# Altium PCB 10515.0462_全联供主板(2拼版)_V1.0.PcbDoc (part 9 of 18)
Units mm, origin at the board's own origin, x right, y up, seen from the top; angles counter-clockwise.
Board outline 282 x 198 mm, 2 copper layers (Top Layer, Bottom Layer); 716 components, 0 nets, 2364 pads, 1800 vias.
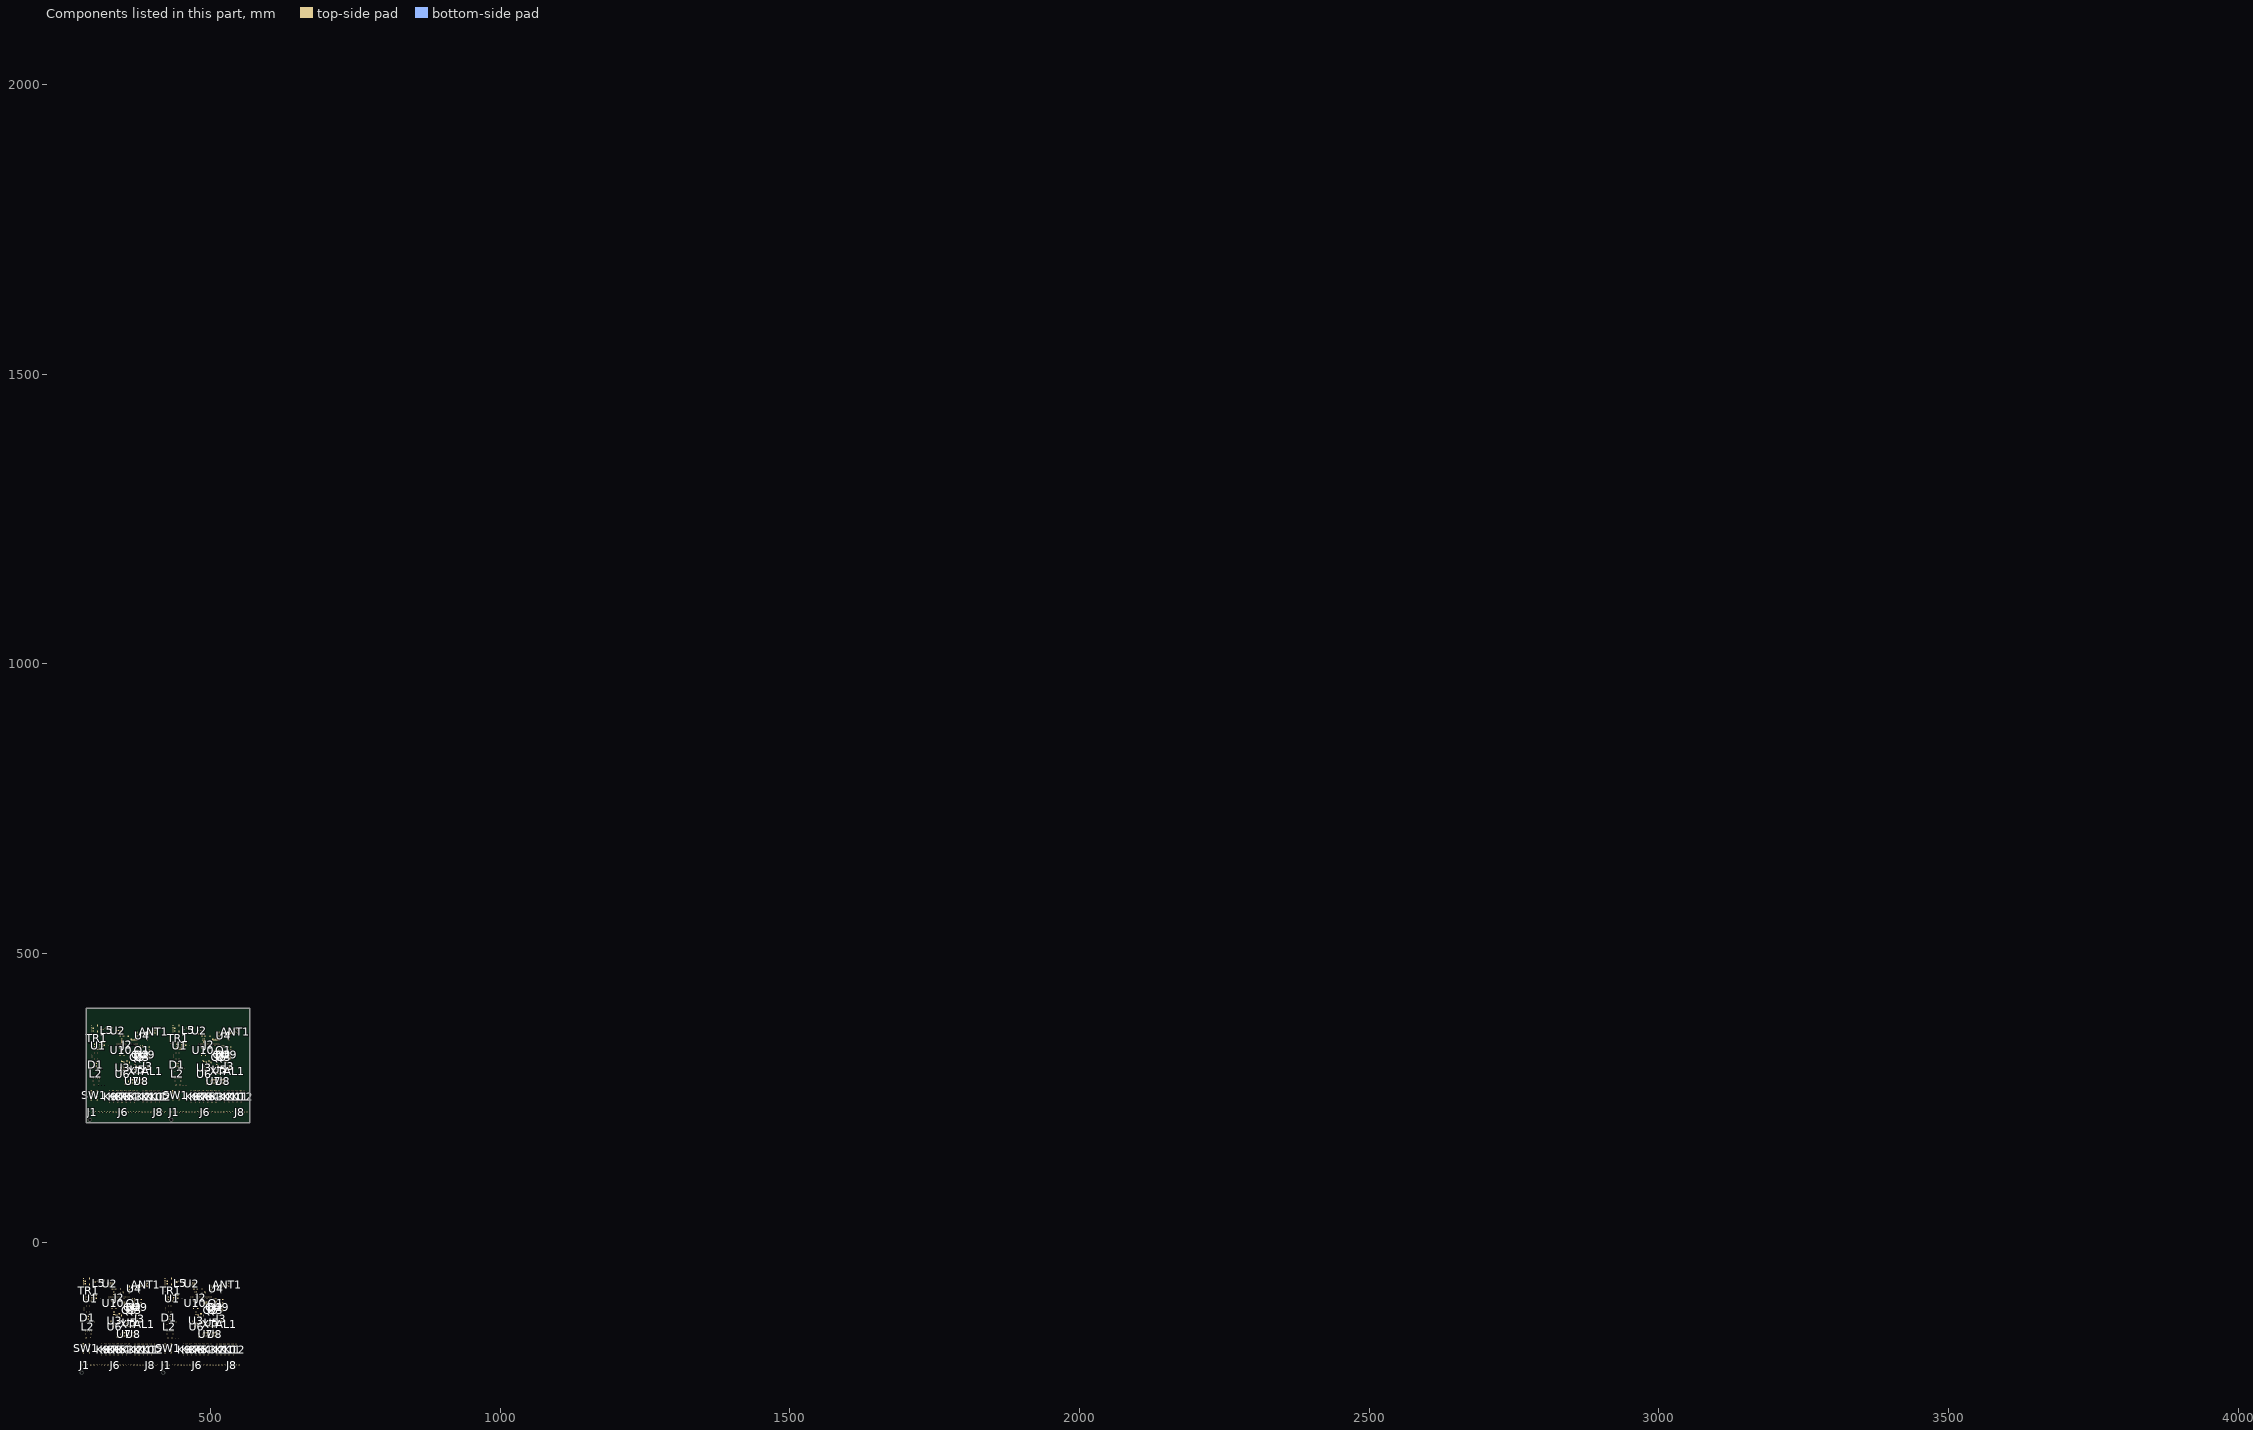
[diagram p9: the components of this part, seen from the top]

## Via types
v1: diameter 0.7, hole 0.4, Top Layer to Bottom Layer, tented both sides, 1800 vias

## Nets (pads, with @x,y where several pads share a name; then routed paths per layer and width w, separated by ;. In a path a pad name is that pad's centre, name@x,y a point inside that pad or via, vN(x,y) a via of type N, cw(c..) or ccw(c..) an arc to the next point about the centre after c; other vN are vias at no path point) (continued)
copper on no net: (continued)
  Top Layer w0.65: 285.476,-64.542 287.715,-64.542 290.89,-61.367 290.89,-62.336 295.122,-66.568 295.509,-66.568 ; 290.89,-71.667 290.89,-71.51 292.366,-70.035 ; 291.064,-69.749 292.614,-68.2 297.083,-68.2 296.55,-68.733 292.842,-68.733 292.461,-69.114 ; 291.318,-61.875 295.509,-66.066 296.601,-66.066 ; 291.318,-61.113 296.754,-66.549 296.837,-66.549 296.96,-66.426 ; 291.572,-70.003 292.144,-69.431 ; 292.017,-63.462 292.017,-64.288 ; 292.652,-64.923 292.017,-64.923 ; 293.35,-64.034 295.001,-65.685 296.22,-65.685 297.083,-66.549 ; 293.604,-66.568 293.604,-66.51 292.017,-64.923 ; 294.297,-66.568 292.017,-64.288 ; 295.691,-68.733 ccw(c295.691,-66.845) 297.026,-68.18 ; 295.813,-66.066 cw(c295.813,-67.78) 297.026,-66.568 295.509,-66.568 ; 297.083,-66.429 ccw(c297.083,-65.893) 297.462,-66.272 ; 297.141,-66.568 cw(c298.353,-67.78) 298.353,-66.066 ; 297.16,-68.479 296.208,-69.431 ; 297.164,-66.519 cw(c297.668,-66.573) 297.668,-66.066 ; 298.801,-66.565 ccw(c297.668,-67.601) 297.668,-66.066 ; 298.861,-66.549 298.379,-66.066 297.668,-66.066 ; 299.105,372.053 301.344,372.053 304.519,375.228 304.519,374.259 308.751,370.027 309.138,370.027 ; 299.738,-66.637 cw(c300.203,-67.102) 300.547,-66.542 ; 300.097,-65.669 cw(c301.224,-66.795) v1@301.224,-65.202 ; 300.272,-65.494 cw(c301.023,-66.246) v1@301.219,-65.202 ; 300.532,-66.415 ccw(c299.473,-65.356) v1@300.97,-65.356 ; v1@300.571,-65.195 cw(c299.609,-66.157) 300.97,-66.157 ; 300.589,-66.654 cw(c302.547,-66.654) v1@301.241,-65.196 ; 300.589,-66.391 ccw(c300.589,-65.336) 301.335,-66.082 ; v1@300.594,-65.202 cw(c300.79,-66.246) 301.542,-65.494 ; 300.612,-66.394 cw(c300.82,-65.685) 300.081,-65.685 ; 300.97,-65.851 cw(c301.898,-65.851) v1@301.242,-65.195 ; 300.995,-66.549 ccw(c300.995,-62.838) 303.619,-65.462 cw(c302.467,-64.309) 302.467,-65.939 cw(c302.467,-67.569) 303.619,-66.416 ; v1@301.206,-65.195 cw(c300.551,-65.851) 301.478,-65.851 ; 302.564,-66.549 ccw(c302.564,-64.407) 304.078,-65.921 ; 304.519,364.928 304.519,365.085 305.995,366.561 ; 304.693,366.846 306.242,368.396 310.712,368.396 310.178,367.862 306.471,367.862 306.09,367.481 ; 304.947,374.72 309.138,370.529 310.229,370.529 ; 304.947,375.482 310.382,370.047 310.466,370.047 310.589,370.17 ; 305.201,366.592 305.772,367.164 ; 305.645,373.133 305.645,372.307 ; 306.28,371.672 305.645,371.672 ; 306.979,372.561 308.63,370.91 309.848,370.91 310.712,370.047 ; 307.233,370.027 307.233,370.085 305.645,371.672 ; 307.925,370.027 305.645,372.307 ; 308.494,-66.416 cw(c307.342,-67.569) 308.971,-67.569 cw(c310.601,-67.569) 309.448,-66.416 ; 308.504,-73.001 ccw(c307.457,-71.908) 308.971,-71.908 ccw(c310.485,-71.908) 309.438,-73.001 ; 308.735,-66.571 cw(c308.266,-67.827) 309.606,-67.827 ; 308.962,-65.962 cw(c308.616,-66.89) 309.606,-66.89 ; 308.971,-66.614 cw(c308.971,-69.163) 310.774,-67.361 ; 308.996,-73.486 cw(c310.514,-73.292) 309.432,-72.209 ; 308.998,-72.815 ccw(c309.059,-71.234) 310.178,-72.353 ; 309.281,-72.889 cw(c309.941,-71.613) 308.504,-71.613 ; 309.32,367.862 ccw(c309.32,369.75) 310.654,368.415 ; 309.442,370.529 cw(c309.442,368.815) 310.654,370.027 309.138,370.027 ; 309.606,-67.082 310.368,-67.844 312.4,-67.844 ; 309.635,-66.059 ccw(c311.337,-66.367) 310.114,-67.59 ; 309.641,-73.403 cw(c312.174,-73.079) 310.368,-71.273 ; 309.646,-73.489 cw(c311.107,-73.489) 310.074,-72.456 ; 309.646,-65.939 ccw(c310.356,-65.939) 309.854,-66.441 ; 310.712,370.166 ccw(c310.712,370.702) 311.091,370.323 ; 310.769,370.027 cw(c311.982,368.815) 311.982,370.529 ; 310.789,368.116 309.836,367.164 ; 310.793,370.076 cw(c311.297,370.023) 311.297,370.529 ; 312.43,370.03 ccw(c311.297,368.995) 311.297,370.529 ; 312.49,370.047 312.007,370.529 311.297,370.529 ; 313.035,-68.479 314.813,-66.701 314.813,-66.574 ; 313.035,-67.844 313.035,-67.543 315.655,-64.923 ; 313.162,-67.844 314.813,-66.193 ; 313.257,-67.241 cw(c315.655,-69.64) 315.655,-66.248 ; 313.282,-66.581 cw(c315.655,-68.954) 315.655,-65.598 ; 313.289,-71.781 314.305,-72.797 314.305,-74.448 315.08,-75.223 315.655,-75.223 ; 313.367,369.958 cw(c313.832,369.493) 314.175,370.054 ; 313.393,-67.185 cw(c315.655,-69.447) 315.655,-66.248 ; 313.67,-67.844 312.4,-67.844 ; 313.71,370.91 ccw(c314.449,370.91) 314.241,370.201 ; 313.726,370.927 cw(c314.853,369.8) v1@314.853,371.393 ; 313.9,371.101 cw(c314.652,370.35) v1@314.848,371.394 ; 314.124,-66.882 cw(c315.655,-68.414) 315.655,-66.248 ; 314.16,370.181 ccw(c313.102,371.239) v1@314.599,371.239 ; v1@314.2,371.401 cw(c313.238,370.438) 314.599,370.438 ; 314.218,369.942 cw(c316.175,369.942) v1@314.87,371.4 ; 314.218,370.204 ccw(c314.218,371.259) 314.964,370.513 ; v1@314.223,371.394 cw(c314.419,370.35) 315.17,371.101 ; 314.366,-66.132 cw(c315.655,-67.421) 315.655,-65.598 ; 314.392,-65.471 cw(c315.655,-66.735) 315.655,-64.948 ; 314.432,-72.543 313.67,-71.781 310.749,-71.781 310.178,-72.352 ; 314.503,-66.075 cw(c315.655,-67.228) 315.655,-65.598 ; 314.599,370.745 cw(c315.526,370.745) v1@314.871,371.401 ; 314.624,370.047 ccw(c314.624,373.758) 317.248,371.134 cw(c316.095,372.286) 316.095,370.656 cw(c316.095,369.027) 317.248,370.179 ; 314.663,-66.851 ccw(c313.534,-65.723) 315.13,-65.723 ; 314.813,-74.261 ccw(c315.817,-74.261) 315.107,-74.971 ; 314.813,-72.692 ccw(c317.386,-72.692) 315.567,-74.511 ; 314.813,-72.289 313.797,-71.273 310.368,-71.273 308.971,-72.67 308.971,-73.489 ; 314.813,-71.527 314.051,-70.765 310.114,-70.765 308.971,-71.908 308.971,-73.489 ; 314.813,-71.123 ccw(c318.955,-71.123) 316.026,-74.052 cw(c316.923,-73.156) 315.655,-73.156 cw(c314.388,-73.156) 315.284,-74.052 ; 314.813,-68.123 cw(c317.079,-68.123) 315.923,-66.175 ; 314.813,-67.971 313.924,-68.86 ; 314.813,-67.336 313.67,-68.479 310.368,-68.479 309.606,-67.717 309.606,-66.574 308.971,-65.939 ; 314.813,-66.982 cw(c316.402,-66.982) 315.591,-65.615 ; v1@314.835,371.401 cw(c314.179,370.745) 315.107,370.745 ; 314.881,-66.633 ccw(c314.226,-65.978) 315.138,-65.815 ; 314.94,-64.923 312.527,-67.336 310.749,-67.336 309.352,-65.939 308.971,-65.939 ; 315.284,-75.594 ccw(c314.388,-76.49) 314.388,-75.223 ccw(c314.388,-73.956) 315.284,-74.852 ; 315.321,-75.223 314.318,-75.223 313.924,-74.829 313.924,-73.305 312.972,-72.352 310.178,-72.352 ; 315.325,-74.015 ccw(c313.829,-72.162) 316.21,-72.162 ; 315.465,-73.934 ccw(c314.827,-72.289) 316.591,-72.289 ; 315.578,-74.522 ccw(c316.044,-73.925) 316.579,-74.46 ; 315.655,-65.859 315.655,-64.923 ; 315.7,-74.54 ccw(c315.196,-73.238) 316.591,-73.238 ; 315.734,-74.52 ccw(c314.928,-73.523) 316.21,-73.523 ; 315.935,-75.146 ccw(c315.564,-74.188) 316.591,-74.188 ; 315.978,-74.009 ccw(c316.5,-73.34) 317.099,-73.94 ; 316.026,-66.094 ccw(c316.923,-66.99) 315.655,-66.99 ccw(c314.388,-66.99) 315.284,-66.094 cw(c313.354,-68.024) 316.083,-68.024 ; 316.106,-75.491 cw(c316.578,-75.772) 316.578,-75.223 ; 316.106,-74.955 ccw(c316.578,-74.674) 316.578,-75.223 ; 316.18,-65.723 ccw(c318.162,-65.723) 316.761,-67.125 ; 316.193,370.047 ccw(c316.193,372.189) 317.707,370.674 ; 317.353,-71.527 316.591,-72.289 316.591,-74.575 315.943,-75.223 315.655,-75.223 ; 317.516,-68.733 cw(c317.516,-70.094) v1@318.478,-69.132 ; 317.933,-69.278 ccw(c317.933,-67.609) v1@319.113,-68.789 ; 317.988,-71.527 317.099,-72.416 317.099,-73.94 ; 318.04,-69.278 ccw(c318.04,-68.658) v1@318.478,-69.096 ; 318.274,-68.638 cw(c317.798,-69.114) v1@318.471,-69.114 ; v1@318.514,-69.132 cw(c319.476,-70.094) 319.476,-68.733 ; v1@318.514,-69.096 ccw(c318.952,-68.658) 318.952,-69.278 ; v1@318.517,-69.128 cw(c319.131,-69.554) v1(319.131,-68.807) 318.443,-68.807 316.083,-66.447 ; 318.517,-68.733 cw(c318.517,-70.653) v1@319.875,-69.295 ; v1@319.154,-68.797 ccw(c319.893,-68.47) v1(319.893,-69.278) ; 319.675,-68.733 cw(c319.675,-70.094) v1@320.637,-69.132 ; v1@319.915,-69.29 cw(c320.872,-69.834) 320.872,-68.733 ; v1@320.199,-69.278 ccw(c320.199,-68.658) v1@320.637,-69.096 ; 320.285,-71.527 ccw(c320.285,-69.418) 321.776,-70.909 ; v1@320.673,-69.096 ccw(c321.111,-68.658) 321.111,-69.278 ; 320.909,-72.416 320.655,-72.162 ; 320.909,-71.867 321.834,-70.942 ; 321.1,-68.961 ccw(c321.635,-68.425) 321.815,-69.161 ; 321.157,-70.809 ccw(c321.48,-70.486) 321.78,-70.829 ; 321.29,-70.942 320.859,-70.511 316.464,-70.511 315.655,-71.32 315.655,-72.543 ; 321.417,-69.278 320.872,-68.733 ; 321.753,-72.67 321.753,-72.031 321.249,-71.527 ; 321.834,-70.929 321.834,-70.942 ; 321.834,-69.278 v1(319.893,-69.278) ; 321.847,-70.942 321.834,-70.942 ; 322.123,370.179 cw(c320.97,369.027) 322.6,369.027 cw(c324.229,369.027) 323.077,370.179 ; 322.133,363.594 ccw(c321.086,364.687) 322.6,364.687 ccw(c324.114,364.687) 323.067,363.594 ; 322.364,370.024 cw(c321.894,368.769) 323.235,368.769 ; 322.484,-73.99 322.243,-73.749 ; 322.525,-73.441 321.036,-71.953 321.036,-71.527 ; 322.591,370.633 cw(c322.244,369.705) 323.235,369.705 ; 322.6,369.981 cw(c322.6,367.432) 324.403,369.235 ; 322.625,363.11 cw(c324.143,363.304) 323.061,364.386 ; 322.626,363.781 ccw(c322.688,365.361) 323.806,364.243 ; 322.91,363.706 cw(c323.57,364.983) 322.133,364.983 ; 323.235,369.513 323.997,368.751 326.029,368.751 ; 323.264,370.536 ccw(c324.965,370.228) 323.743,369.006 ; 323.269,363.192 cw(c325.803,363.516) 323.997,365.322 ; 323.275,363.106 cw(c324.735,363.106) 323.703,364.139 ; 323.275,370.656 ccw(c323.985,370.656) 323.483,370.155 ; 324.272,-96.104 cw(c323.526,-96.85) 324.581,-96.85 cw(c325.636,-96.85) 324.89,-96.104 cw(c325.636,-96.85) 325.636,-95.795 cw(c325.636,-94.74) 324.89,-95.486 cw(c325.636,-94.74) 324.581,-94.74 cw(c323.526,-94.74) 324.272,-95.486 ; 324.272,-93.564 cw(c323.526,-94.31) 324.581,-94.31 cw(c325.636,-94.31) 324.89,-93.564 cw(c325.664,-94.338) 325.664,-93.244 ; 324.369,-95.413 ccw(c323.799,-94.387) 324.973,-94.387 ; 324.4,-95.683 cw(c325.821,-96.57) 325.821,-94.895 ; 324.427,-93.664 cw(c324.131,-94.453) 324.973,-94.453 ; 324.43,-93.405 ccw(c325.564,-92.283) 325.564,-93.879 ; 324.468,-95.976 ccw(c324.926,-95.242) 325.538,-95.854 ; 324.592,-93.244 327.11,-93.244 327.121,-93.255 ; 324.812,-95.425 ccw(c325.371,-94.531) 326.116,-95.276 ; 324.89,-92.946 ccw(c325.608,-92.228) 325.608,-93.244 ; 324.892,-92.948 ccw(c327.121,-90.744) 327.121,-93.879 ; 324.952,-96.027 cw(c326.994,-97.303) 326.994,-94.895 324.973,-94.895 ; 324.973,-96.419 326.116,-95.276 ; 324.973,-96.188 324.973,-94.895 ; 324.973,-95.988 cw(c326.116,-96.549) 326.116,-95.276 ; 326.017,-94.895 cw(c326.017,-96.338) 327.312,-95.701 ; 326.038,-93.244 cw(c326.038,-94.338) 326.812,-93.564 cw(c326.066,-94.31) 327.121,-94.31 cw(c328.176,-94.31) 327.43,-93.564 ; 326.094,-93.244 ccw(c326.094,-92.228) 326.812,-92.946 ; 326.379,-93.879 ccw(c326.379,-92.79) 327.301,-93.369 ; 326.664,368.116 328.442,369.894 328.442,370.021 ; 326.664,368.751 326.664,369.052 329.284,371.672 ; 326.685,-95.817 ccw(c326.116,-95.845) 326.116,-95.276 ; 326.729,-95.988 ccw(c324.973,-96.851) 324.973,-94.895 ; 326.751,-93.023 cw(c325.205,-92.054) 325.205,-93.879 327.121,-93.879 327.121,-93.255 ; 326.791,368.751 328.442,370.402 ; 326.812,-96.104 ccw(c326.066,-96.85) 326.066,-95.795 ccw(c326.066,-94.74) 326.812,-95.486 ccw(c326.066,-94.74) 327.121,-94.74 ccw(c328.176,-94.74) 327.43,-95.486 ; 326.885,369.354 cw(c329.284,366.956) 329.284,370.347 ; 326.911,370.015 cw(c329.284,367.642) 329.284,370.997 ; 326.918,364.814 327.934,363.798 327.934,362.147 328.709,361.372 329.284,361.372 ; 327.022,369.411 cw(c329.284,367.149) 329.284,370.347 ; 327.121,-95.276 326.116,-95.276 ; 327.121,-94.387 324.973,-94.387 ; 327.299,368.751 326.029,368.751 ; 327.753,369.713 cw(c329.284,368.182) 329.284,370.347 ; 327.995,370.464 cw(c329.284,369.175) 329.284,370.997 ; 328.021,371.124 cw(c329.284,369.861) 329.284,371.647 ; 328.061,364.052 327.299,364.814 324.378,364.814 323.806,364.243 ; 328.132,370.52 cw(c329.284,369.368) 329.284,370.997 ; 328.291,369.744 ccw(c327.163,370.872) 328.759,370.872 ; 328.442,362.334 ccw(c329.446,362.334) 328.736,361.624 ; 328.442,363.903 ccw(c331.015,363.903) 329.195,362.084 ; 328.442,364.306 327.426,365.322 323.997,365.322 322.6,363.925 322.6,363.106 ; 328.442,365.068 327.68,365.83 323.743,365.83 322.6,364.687 322.6,363.106 ; 328.442,365.473 ccw(c332.584,365.473) 329.655,362.544 cw(c330.551,363.44) 329.284,363.44 cw(c328.016,363.44) 328.913,362.544 ; 328.442,368.472 cw(c330.708,368.472) 329.552,370.421 ; 328.442,368.624 327.553,367.735 ; 328.442,369.259 327.299,368.116 323.997,368.116 323.235,368.878 323.235,370.021 322.6,370.656 ; 328.442,369.613 cw(c330.031,369.613) 329.22,370.98 ; 328.51,369.963 ccw(c327.855,370.618) 328.767,370.78 ; 328.569,371.672 326.156,369.259 324.378,369.259 322.981,370.656 322.6,370.656 ; 328.913,361.001 ccw(c328.016,360.105) 328.016,361.372 ccw(c328.016,362.64) 328.913,361.744 ; 328.95,361.372 327.947,361.372 327.553,361.766 327.553,363.29 326.6,364.243 323.806,364.243 ; 328.954,362.581 ccw(c327.457,364.433) 329.839,364.433 ; 329.094,362.662 ccw(c328.456,364.306) 330.22,364.306 ; 329.207,362.074 ccw(c329.673,362.671) 330.208,362.136 ; 329.284,370.736 329.284,371.672 ; 329.329,362.056 ccw(c328.824,363.357) 330.22,363.357 ; 329.352,-95.486 ccw(c328.606,-94.74) 329.661,-94.74 ccw(c330.716,-94.74) 329.97,-95.486 ; 329.352,-93.564 cw(c328.606,-94.31) 329.661,-94.31 cw(c330.716,-94.31) 329.97,-93.564 ; 329.352,-92.946 ccw(c328.606,-92.2) 329.661,-92.2 ccw(c330.716,-92.2) 329.97,-92.946 ; 329.362,362.075 ccw(c328.557,363.073) 329.839,363.073 ; 329.474,-113.477 cw(c329.474,-114.971) 330.531,-113.915 ; 329.499,-112.8 ccw(c330.612,-112.7) 330.612,-113.818 ; 329.529,-113.475 cw(c329.601,-114.341) 330.216,-113.726 cw(c330.633,-113.309) 330.092,-113.073 ; 329.535,-113.474 cw(c329.633,-114.563) 330.406,-113.79 cw(c331.093,-113.103) 330.138,-112.925 ; 329.564,361.45 ccw(c329.193,362.408) 330.22,362.408 ; 329.607,362.586 ccw(c330.128,363.255) 330.728,362.655 ; 329.655,370.501 ccw(c330.551,369.605) 329.284,369.605 ccw(c328.016,369.605) 328.913,370.501 cw(c326.983,368.572) 329.712,368.572 ; 329.661,-100.366 329.661,-95.795 ; 329.661,-99.135 ccw(c330.596,-99.135) 329.935,-99.796 ; 329.735,361.104 cw(c330.207,360.824) 330.207,361.372 ; 329.735,361.641 ccw(c330.207,361.921) 330.207,361.372 ; 329.776,-100.481 329.776,-95.91 329.661,-95.795 ; 329.776,-97.128 ccw(c328.329,-97.128) 329.352,-96.104 cw(c328.606,-96.85) 329.661,-96.85 cw(c330.716,-96.85) 329.97,-96.104 ccw(c330.439,-96.573) 329.776,-96.573 ; 329.809,370.872 ccw(c331.791,370.872) 330.389,369.471 ; 329.951,-113.279 cw(c331.104,-114.432) 331.104,-112.802 cw(c331.104,-111.172) 329.951,-112.325 ; 330.12,-112.998 cw(c331.069,-113.286) 331.069,-112.294 ; 330.146,-112.742 ccw(c331.323,-112.637) 331.323,-113.818 ; 330.149,-112.802 ccw(c331.914,-112.802) 330.666,-114.05 ; 330.434,-113.818 331.831,-115.215 331.831,-118.39 332.238,-118.796 332.238,-119.329 ; 330.982,365.068 330.22,364.306 330.22,362.02 329.572,361.372 329.284,361.372 ; 331.021,-106.75 ccw(c329.37,-105.1) 331.704,-105.1 ; 331.145,367.862 cw(c331.145,366.501) v1@332.107,367.464 ; 331.531,-121.612 cw(c329.824,-123.318) 332.238,-123.318 ; 331.531,-121.01 ccw(c329.824,-119.304) 332.238,-119.304 ; 331.562,367.318 ccw(c331.562,368.987) v1@332.742,367.807 ; 331.617,365.068 330.728,364.179 330.728,362.655 ; 331.669,367.318 ccw(c331.669,367.937) v1@332.107,367.499 ; 331.695,-107.811 cw(c330.415,-109.091) 332.226,-109.091 cw(c334.036,-109.091) 332.756,-107.811 ; 331.695,-106.75 ccw(c330.777,-105.832) 332.076,-105.832 ; 331.704,-107.802 331.704,-108.865 ; 331.704,-105.84 ccw(c332.991,-105.84) 332.081,-106.75 ; 331.704,-102.446 cw(c333.516,-102.446) 332.235,-101.165 ; 331.704,-98.515 ccw(c333.516,-98.515) 332.235,-99.796 ; 331.704,-98.05 cw(c334.456,-98.05) 332.51,-96.104 ccw(c333.558,-97.153) 332.076,-97.153 ; 331.704,-96.481 cw(c332.886,-96.481) 332.05,-95.645 ; 331.704,-95.51 cw(c334.456,-95.51) 332.51,-93.564 ccw(c333.256,-94.31) 332.201,-94.31 ccw(c331.146,-94.31) 331.892,-93.564 ; 331.704,-95.174 ccw(c332.738,-95.174) 332.062,-95.956 ; 331.704,-93.941 cw(c332.886,-93.941) 332.05,-93.105 ; 331.812,-91.231 ccw(c331.063,-90.481) 332.118,-90.381 ; 331.881,-87.133 cw(c331.019,-87.995) 332.238,-87.995 ; 331.892,-96.104 cw(c331.448,-96.548) 332.076,-96.548 ; 331.892,-95.486 ccw(c331.146,-94.74) 332.201,-94.74 ccw(c333.256,-94.74) 332.51,-95.486 ; 331.903,367.958 cw(c331.426,367.481) v1@332.1,367.481 ; 332.076,-107.131 332.076,-100.481 332.076,-95.921 ; 332.076,-105.108 ccw(c334.399,-105.108) 332.756,-106.75 ; 332.076,-104.792 332.847,-105.563 332.847,-111.278 332.226,-111.899 ; v1@332.143,367.464 cw(c333.105,366.501) 333.105,367.862 ; v1@332.143,367.499 ccw(c332.581,367.937) 332.581,367.318 ; v1@332.145,367.467 cw(c332.76,367.041) v1(332.76,367.789) 332.072,367.789 329.712,370.148 ; 332.146,367.862 cw(c332.146,365.942) v1@333.504,367.3 ; 332.201,-95.795 332.201,-93.255 331.704,-93.752 ; 332.218,-123.451 cw(c331.313,-124.356) 332.593,-124.356 ; 332.226,-107.281 332.226,-111.899 ; 332.228,-123.459 cw(c331.713,-124.173) 332.593,-124.173 ; 332.238,-86.939 332.238,-88.849 332.238,-90.806 331.577,-91.466 330.18,-91.466 329.661,-91.985 329.661,-93.255 329.661,-95.795 ; 332.344,-123.437 ccw(c332.663,-123.64) 332.396,-123.908 ; 332.37,-107.811 cw(c331.22,-108.962) 332.847,-108.962 ; 332.37,-106.75 ccw(c331.22,-105.6) 332.847,-105.6 ; 332.429,-130.582 cw(c332.429,-131.948) 333.395,-130.982 ; 332.487,-95.465 cw(c333.969,-93.752) 331.704,-93.752 ; 332.593,-125.629 332.593,-125.248 ; v1@332.783,367.799 ccw(c333.522,368.126) v1(333.522,367.318) ; 332.847,-109.221 cw(c334.841,-109.221) 333.431,-107.811 ; 332.847,-105.563 ccw(c334.334,-105.563) 333.381,-106.705 ; 333.304,367.862 cw(c333.304,366.501) v1@334.266,367.464 ; 333.355,-125.985 332.619,-125.248 332.593,-125.248 ; 333.371,-130.926 ccw(c333.021,-130.932) 333.021,-130.582 ; 333.491,-131.051 333.021,-130.582 ; v1@333.544,367.305 cw(c334.501,366.761) 334.501,367.862 ; v1@333.828,367.318 ccw(c333.828,367.937) v1@334.266,367.499 ; 333.869,-119.387 cw(c332.657,-120.599) 334.371,-120.599 ; 333.869,-88.791 ccw(c332.681,-87.604) 334.361,-87.604 ; 333.889,-91.11 334.741,-91.963 334.741,-93.255 ; 333.889,-88.744 cw(c336.166,-88.744) 334.556,-87.133 ccw(c335.025,-87.603) 334.361,-87.603 ; 333.909,-119.408 cw(c333.78,-119.985) 334.371,-119.985 ; 333.914,365.068 ccw(c333.914,367.177) 335.405,365.686 ; 334.008,-123.389 cw(c335.251,-123.334) 334.371,-122.454 ; 334.008,-119.329 cw(c335.092,-119.329) 334.325,-118.563 ; 334.167,-87.133 cw(c333.697,-87.603) 334.361,-87.603 ; 334.217,-101.165 cw(c332.311,-103.07) 335.006,-103.07 ; 334.217,-99.796 ccw(c332.311,-97.891) 335.006,-97.891 ; 334.244,-99.97 334.244,-95.022 ; 334.244,-99.094 ccw(c335.237,-99.094) 334.535,-99.796 ; 334.244,-98.05 cw(c336.996,-98.05) 335.05,-96.104 ; 334.244,-96.481 cw(c335.426,-96.481) 334.59,-95.645 ; 334.244,-95.11 ccw(c335.426,-95.11) 334.59,-95.946 ; 334.244,-95.09 cw(c336.077,-95.09) 334.998,-93.609 ; 334.244,-93.541 ccw(c336.996,-93.541) 335.05,-95.486 ; v1@334.302,367.499 ccw(c334.74,367.937) 334.74,367.318 ; 334.376,-101.231 cw(c334.376,-103.024) 335.644,-101.756 ; 334.376,-97.732 cw(c336.678,-97.732) 335.05,-96.104 ; 334.376,-96.161 334.376,-100.481 334.376,-103.663 335.006,-104.293 ; 334.422,-123.926 ccw(c335.068,-123.279) 335.633,-123.999 ; 334.432,-96.104 cw(c333.046,-97.49) 335.006,-97.49 ; 334.432,-95.486 ccw(c333.686,-94.74) 334.741,-94.74 ccw(c335.796,-94.74) 335.05,-95.486 ; 334.432,-93.564 cw(c333.686,-94.31) 334.741,-94.31 cw(c335.796,-94.31) 335.05,-93.564 cw(c335.796,-94.31) 335.796,-93.255 cw(c335.796,-92.2) 335.05,-92.946 ; 334.432,-92.946 ccw(c333.686,-92.2) 334.741,-92.2 ccw(c335.796,-92.2) 335.05,-92.946 ; 334.46,-101.214 cw(c334.74,-101.902) 335.265,-101.377 ; 334.538,364.179 334.284,364.433 ; 334.538,364.728 335.463,365.653 ; 334.562,-93.371 ccw(c335.961,-92.468) 335.961,-94.133 ; 334.57,-95.668 cw(c335.858,-96.629) 335.858,-95.022 ; 334.576,-113.613 cw(c336.474,-115.512) 336.474,-112.827 ; 334.586,-95.942 ccw(c335.4,-95.171) 335.4,-96.292 ; 334.676,-100.705 cw(c333.88,-101.501) 335.006,-101.501 ; 334.676,-100.256 ccw(c333.88,-99.46) 335.006,-99.46 ; 334.729,367.635 ccw(c335.264,368.17) 335.443,367.435 ; 334.767,-114.184 cw(c336.474,-115.891) 336.474,-113.477 